# Altium PCB MB1137.PcbDoc (part 3 of 4)
Units mm, origin at the board's own origin, x right, y up, seen from the top; angles counter-clockwise.
Board outline 70.13 x 133.47 mm, 6 copper layers (Top Layer, GND, Signal, PWR, GND (Mid2), Bottom Layer), stack 1.893 mm thick; 293 components, 281 nets, 1134 pads, 921 vias.
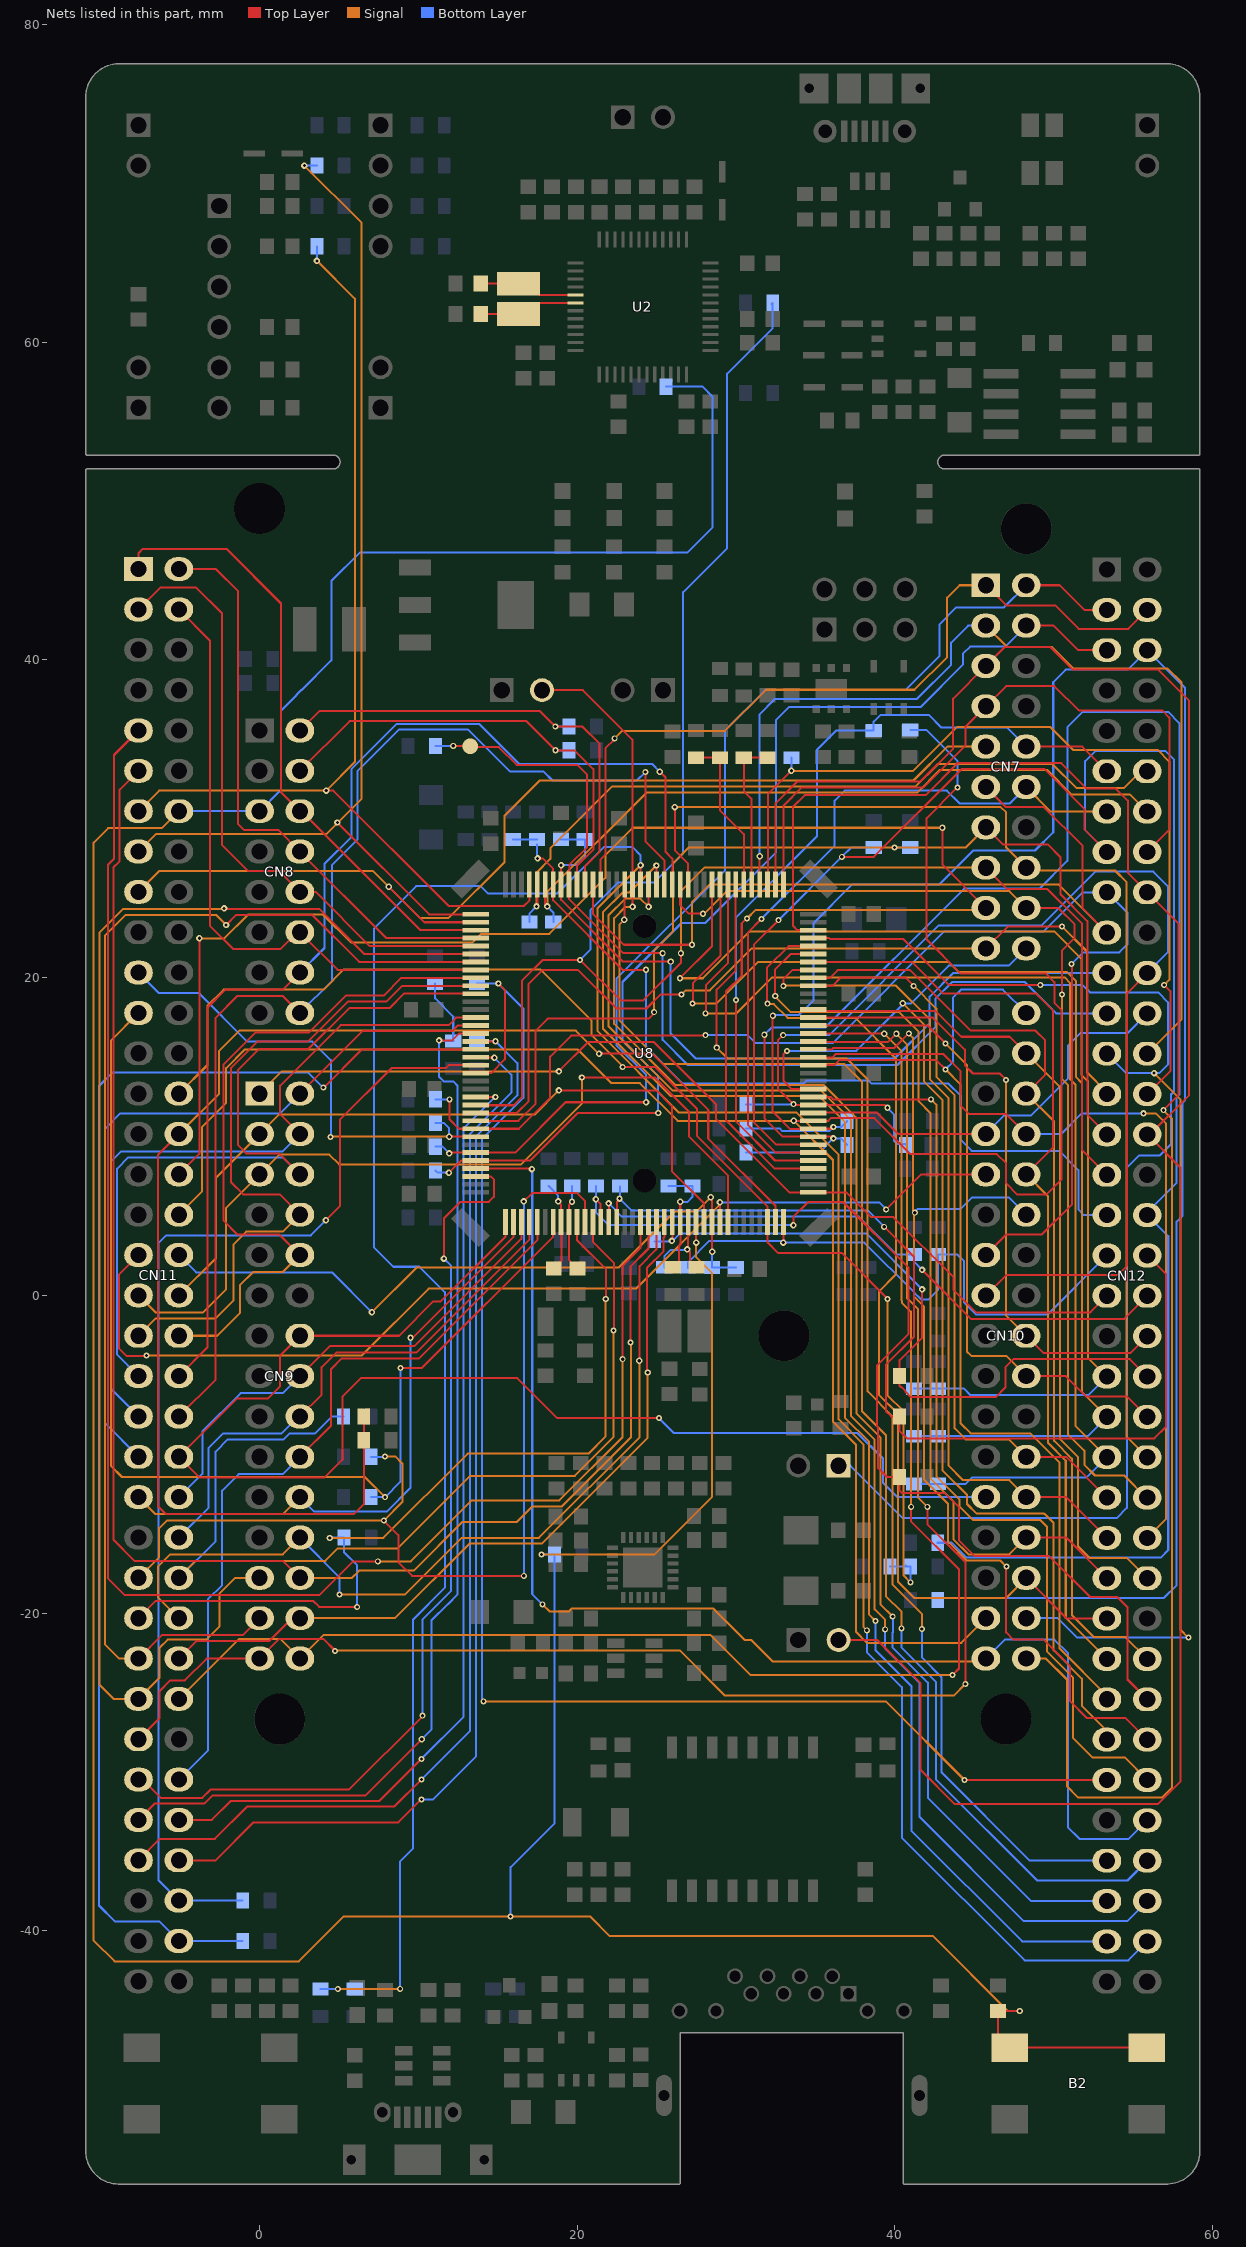
[diagram p7: the nets of this part, all layers, seen from the top]

## Via types
v1: diameter 0.406, hole 0.203, Top Layer to Bottom Layer, tented both sides, 464 vias
v2: diameter 0.381, hole 0.203, Top Layer to Bottom Layer, tented both sides, 415 vias
v3: diameter 0.508, hole 0.305, Top Layer to Bottom Layer, tented both sides, 39 vias
v4: diameter 0.66, hole 0.33, Top Layer to Bottom Layer, tented both sides, 2 vias
v5: diameter 0.381, hole 0.203, Top Layer to Bottom Layer, 1 vias

## Nets (pads, with @x,y where several pads share a name; then routed paths per layer and width w, separated by ;. In a path a pad name is that pad's centre, name@x,y a point inside that pad or via, vN(x,y) a via of type N, cw(c..) or ccw(c..) an arc to the next point about the centre after c; other vN are vias at no path point) (continued)
NRST: B2.2 B2.3 C53.2 CN8.5 CN11.14 SB111.2 SB177.1 U8.25 | length 263.3
  Top Layer w0.127: v1@27.482,3.404 U8.25@27.482,4.615 ; v1(47.854,-45.047) C53.2@46.482,-45.047 46.482,-46.627 B2.2@47.212,-47.356 B2.3@55.862,-47.356
  Signal w0.127: CN11.14@-5.08,30.48 -6.148,29.412 -9.526,29.412 -10.439,28.499 -10.439,-40.615 -9.129,-41.925 2.474,-41.925 5.309,-39.091 v2(15.799,-39.091) 20.799,-39.091 22.049,-40.341 42.398,-40.341 47.104,-45.047 v1(47.854,-45.047) ; v2(17.755,-16.307) 24.872,-16.307 28.473,-12.705 28.473,1.42 27.482,2.412 v1@27.482,3.404
  Bottom Layer w0.127: CN11.14@-5.08,30.48 CN8.5@0,30.48 1.35,31.83 1.35,36.809 2.327,37.785 2.327,37.822 2.615,38.11 2.652,38.11 4.521,39.98 4.521,44.971 6.312,46.761 26.924,46.761 28.499,48.336 28.499,56.587 27.885,57.201 SB111.2@25.597,57.201 ; v2(15.799,-39.091) 15.799,-35.992 18.574,-33.217 SB177.1@18.574,-16.307 v2(17.755,-16.307)
  other v1: 27.483,3.327
OSC_IN: C5.1 U2.5 X1.2 | length 6.2
  Top Layer w0.127: C5.1@13.932,63.703 X1.2@16.292,63.703 ; X1.2@16.307,63.688 16.906,63.688 17.614,62.98 U2.5@19.88,62.98
OSC_OUT: C6.1 U2.6 X1.1 | length 6.2
  Top Layer w0.127: C6.1@13.932,61.773 X1.1@16.292,61.773 ; X1.1@16.307,61.788 16.906,61.788 17.598,62.48 U2.6@19.88,62.48 U2.6@19.876,62.484
PA0: CN11.28 SB179.1 SB180.2 U8.34 | length 82.3
  Top Layer w0.127: v5(22.86,14.376) 24.901,14.376 27.541,11.736 27.541,10.029 31.982,5.589 U8.34@31.982,4.615 31.982,3.328 32.632,2.678 36.642,2.678 39.548,-0.229 v2(39.522,-0.229)
  Signal w0.127: CN11.28@-5.08,12.7 -3.277,14.503 -3.277,18.237 -2.261,19.252 4.038,19.252 5.311,20.526 17.676,20.526 20.904,17.298 20.904,16.377 22.86,14.421 v5(22.86,14.376) ; v2(39.522,-0.229) 39.522,-6.285 40.541,-7.303 40.541,-17.63 v2(40.97,-18.059)
  Bottom Layer w0.127: SB180.2@39.694,-17.069 SB179.1@40.977,-17.069 40.977,-18.053 v2(40.97,-18.059) ; SB179.1@40.665,-16.993 SB179.1@40.691,-17.018
PA1: CN11.30 SB11.2 SB13.2 U8.35 | length 91
  Top Layer w0.127: CN11.30@-5.08,10.16 -6.401,8.839 -6.401,-13.259 -5.892,-13.768 5.937,-13.768 6.56,-13.144 SB13.2@6.56,-9.5 ; SB13.2@6.56,-9.119 SB11.2@6.56,-7.619 ; v1@21.37,15.24 24.683,15.24 28.245,11.678 28.245,9.864 32.482,5.627 U8.35@32.482,4.615
  Signal w0.127: CN11.30@-5.08,10.16 -2.54,12.7 -2.54,15.392 -1.27,16.662 19.906,16.662 v1@21.354,15.215
  other v1: 21.37,15.215
PA2: CN12.35 SB159.1 SB160.2 U8.36 | length 37.4
  Top Layer w0.127: v1(32.969,3.327) 32.969,3.404 32.982,3.416 U8.36@32.982,4.615
  Bottom Layer w0.127: SB160.2@26.975,1.721 SB160.2@26.975,1.772 26.975,2.083 28.321,3.429 33.021,3.429 v1@33.123,3.327 ; v1(32.969,3.327) v1@33.123,3.327 ; CN12.35@53.34,2.515 49.632,-1.194 45.091,-1.194 44.348,-0.451 44.348,2.159 43.936,2.572 SB159.1@42.697,2.572 42.697,0.33 42.113,-0.254 41.637,-0.254 41.214,0.169 41.214,0.188 38.075,3.327 v1@33.123,3.327
PA3: CN9.1 CN12.37 U8.37 | length 63.2
  Top Layer w0.127: v1(18.847,14.097) 20.701,15.951 24.823,15.951 28.727,12.047 28.727,11.108 33.366,6.469 34.836,6.469 U8.37@34.857,6.49 36.944,6.49 38.504,4.93 39.901,4.93 43.688,1.143 43.688,0.334 45.089,-1.068 48.702,-1.068 ; 48.703,-1.067 52.299,-1.067 CN12.37@53.34,-0.025
  Signal w0.127: CN9.1@0,12.7 1.397,14.097 v1(18.847,14.097)
PA4: CN7.17 CN11.32 U8.40 | length 108.9
  Top Layer w0.127: CN11.32@-5.08,7.62 -3.785,8.915 v1(-3.785,22.479) ; v2(30.683,23.724) 30.658,23.724 30.353,23.419 30.353,20.126 29.362,19.136 29.362,11.037 32.406,7.993 34.853,7.993 U8.40@34.857,7.99 ; v2(42.977,29.439) 42.977,27.127 CN7.17@45.72,24.384
  Signal w0.127: v1(-3.785,22.479) -2.21,22.479 -0.711,23.978 3.988,23.978 5.766,22.2 13.386,22.2 13.945,22.758 18.237,22.758 21.768,26.289 21.768,27.719 23.488,29.439 v2(42.977,29.439) ; v2(30.683,23.724) 31.23,24.27 45.606,24.27 CN7.17@45.72,24.384
  Bottom Layer w0.127: v2@30.658,23.724 v2(30.683,23.724)
PA5: CN7.10 CN12.11 SB119.2 U8.41 | length 52.4
  Top Layer w0.127: v2(29.997,18.593) 29.997,10.941 32.448,8.49 U8.41@34.857,8.49 ; CN7.10@48.26,34.544 51.791,34.544 CN12.11@53.34,32.995
  Bottom Layer w0.127: v2(29.997,18.593) 30.061,18.593 29.997,18.656 29.997,23.812 35.103,28.917 35.103,34.366 36.297,35.56 SB119.2@38.659,35.56 38.659,36.119 39.091,36.551 42.113,36.551 42.926,35.738 47.066,35.738 CN7.10@48.26,34.544
PA6: CN7.12 CN12.13 U8.42 | length 46.3
  Top Layer w0.127: v2(31.598,23.698) 30.734,22.835 30.734,10.743 32.487,8.99 U8.42@34.857,8.99
  Signal w0.127: CN7.12@48.26,32.004 49.809,30.455 CN12.13@53.34,30.455
  Bottom Layer w0.127: v2(31.598,23.698) 36.195,28.296 36.195,31.14 36.83,31.775 43.258,31.775 44.07,30.963 47.219,30.963 CN7.12@48.26,32.004
PA7: CN12.15 JP6.1 SB121.2 U8.43 | length 129.4
  Top Layer w0.127: v2(32.665,23.622) 31.115,22.072 31.115,10.901 32.526,9.49 U8.43@34.857,9.49 ; v2(36.653,27.61) 38.675,27.61 44.217,33.151 49.399,33.151 51.918,30.632 51.918,29.337 CN12.15@53.34,27.915
  Bottom Layer w0.127: v2(32.665,23.622) v2(36.653,27.61) 37.237,28.194 SB121.2@38.659,28.194 ; JP6.1@35.814,-10.719 JP6.1@36.449,-10.719 37.186,-10.719 40.488,-14.021 53.95,-14.021 54.6,-13.371 54.6,8.042 55.372,8.814 56.681,8.814 57.376,9.509 57.376,12.646 57.554,12.824 57.554,33.747 57.036,34.265 52.603,34.265 51.968,33.63 51.968,29.286 CN12.15@53.34,27.915
PA8: CN12.23 SB115.2 TP1.1 U8.100 | length 64.2
  Top Layer w0.127: v2(12.192,34.595) 12.217,34.569 TP1.1@13.259,34.569 ; TP1.1@13.259,34.519 TP1.1@13.259,34.569 ; TP1.1@13.259,34.696 TP1.1@13.259,34.569 ; v2(25.375,21.539) 22.883,21.539 19.482,24.941 U8.100@19.482,25.865 19.502,25.886 19.502,27.097 20.625,28.219 20.625,32.766 19.99,33.401 16.18,33.401 15.062,34.519 13.31,34.519 TP1.1@13.259,34.569
  Bottom Layer w0.127: SB115.2@11.068,34.595 v2(12.192,34.595) ; v2(25.375,21.539) 25.375,16.085 26.956,14.503 40.157,14.503 42.545,16.891 42.545,18.676 43.599,19.73 48.173,19.73 50.148,17.755 CN12.23@53.34,17.755
PA9: CN12.21 SB127.2 SB128.2 U8.101 | length 50.9
  Top Layer w0.127: v1(18.982,27.084) U8.101@18.982,25.865 18.982,24.902 22.878,21.006 v2(25.883,21.006)
  Bottom Layer w0.127: v1(18.982,27.084) 19.979,27.084 20.472,27.578 SB127.2@20.472,28.708 SB128.2@18.974,28.708 SB128.2@18.982,28.701 ; v2(25.883,21.006) 25.883,16.485 27.455,14.912 39.97,14.912 42.177,17.12 42.177,18.808 43.664,20.295 CN12.21@53.34,20.295
PA10: CN12.33 SB125.2 SB126.2 U8.102 | length 54.8
  Top Layer w0.127: v1(17.501,27.508) 17.831,27.508 18.482,26.857 U8.102@18.482,25.865 18.482,24.863 22.847,20.498 v2(24.333,20.498)
  Bottom Layer w0.127: SB125.2@15.962,28.708 SB126.2@17.475,28.708 ; v1@17.475,27.526 SB126.2@17.475,28.384 ; v2(24.333,20.498) 24.333,15.638 26.637,13.335 34.252,13.335 34.455,13.538 38.329,13.538 38.532,13.335 43.368,13.335 44.133,12.571 44.133,9.785 44.825,9.093 50.33,9.093 51.537,7.886 51.537,5.41 51.892,5.055 CN12.33@53.34,5.055
PA11: CN12.14 SB133.2 U8.103 | length 45.5
  Top Layer w0.127: U8.103@17.982,25.865 17.982,24.614 v1(18.11,24.486)
  Signal w0.127: v1(18.11,24.486) 18.11,25.4 24.359,31.648 41.402,31.648 42.825,33.072 49.58,33.072 51.106,31.546 54.789,31.546 CN12.14@55.88,30.455
  Bottom Layer w0.127: v1(18.11,24.486) 18.491,24.105 SB133.2@18.491,23.508
PA12: CN12.12 SB132.2 U8.104 | length 47.4
  Top Layer w0.127: v1(17.432,24.486) 17.482,24.536 U8.104@17.482,25.865
  Signal w0.127: v1(17.432,24.486) 17.432,26.601 18.307,27.476 18.307,28.154 22.182,32.029 41.284,32.029 42.707,33.453 49.264,33.453 49.275,33.442 49.683,33.442 49.694,33.453 49.91,33.453 51.436,31.927 54.408,31.927 55.475,32.995 CN12.12@55.88,32.995
  Bottom Layer w0.127: SB132.2@16.982,23.508 16.982,24.036 v1(17.432,24.486)
PA13: CN11.13 SB108.1 U8.105 | length 65.3
  Top Layer w0.127: v1(4.191,31.775) 4.648,31.775 11.913,24.511 16.637,24.511 16.982,24.856 U8.105@16.982,25.865
  Signal w0.127: CN11.13@-7.62,30.48 -6.325,31.775 v1(4.191,31.775) 5.994,33.579 5.994,62.738 v1(3.613,65.119)
  Bottom Layer w0.127: SB108.1@3.613,66.04 v1(3.613,65.119) v1@3.632,65.1
PA14: CN11.15 SB103.1 U8.109 | length 68.7
  Top Layer w0.127: v1@4.902,29.82 v1(4.902,29.77) 10.682,23.99 U8.109@13.607,23.99
  Signal w0.127: CN11.15@-7.62,27.94 -6.529,29.031 4.19,29.031 6.426,31.267 6.426,67.515 v1(2.821,71.12)
  Bottom Layer w0.127: v1(2.821,71.12) SB103.1@3.613,71.12
PA15: CN7.9 CN11.17 U8.110 | length 67.7
  Top Layer w0.127: v1(8.128,25.73) 10.368,23.49 U8.110@13.607,23.49
  Signal w0.127: CN11.17@-7.62,25.4 -6.299,26.721 7.137,26.721 v1(8.128,25.73) 10.109,23.749 11.887,23.749 15.418,27.28 15.418,30.201 17.628,32.41 41.165,32.41 43.299,34.544 CN7.9@45.72,34.544
PB0: CN10.31 CN11.34 SB120.1 U8.46 | length 149.1
  Top Layer w0.127: v1(33.63,10.99) U8.46@34.857,10.99 35.798,10.99 35.966,11.158 38.707,11.158 40.976,8.888 46.414,8.888 46.99,8.312 46.99,7.061 47.703,6.348 49.528,6.348 50.495,7.315 50.495,17.949 50.026,18.418 50.026,19.722 49.479,20.269 44.12,20.269 41.986,22.403 41.986,30.045 43.92,31.979 v2(43.942,31.979)
  Signal w0.127: CN11.34@-5.08,5.08 -3.61,6.55 -3.61,10.614 -2.108,12.116 -2.108,14.3 -0.927,15.481 20.032,15.481 22.153,13.36 23.943,13.36 26.313,10.99 v1(33.63,10.99) 36.096,8.524 36.096,-7.953 37.544,-9.401 37.544,-21.185 38.229,-21.869 44.171,-21.869 CN10.31@45.72,-20.32
  Bottom Layer w0.127: SB120.1@40.964,35.604 41.954,35.604 43.942,33.617 v2(43.942,31.979)
PB1: CN10.7 CN12.24 U8.47 | length 26
  Top Layer w0.127: U8.47@34.857,11.49 34.878,11.511 38.853,11.511 40.204,10.16 CN10.7@45.72,10.16
  Bottom Layer w0.127: CN10.7@45.72,10.16 46.888,11.328 48.565,11.328 50.876,13.64 50.876,15.723 51.664,16.51 54.635,16.51 CN12.24@55.88,17.755
PB2: CN10.15 CN12.22 R73.1 SB137.2 U8.48 | length 81.5
  Top Layer w0.127: 32.982,12.663 33.655,11.99 U8.48@34.857,11.99 39.343,11.99 v2(39.522,11.811) v2@39.548,11.811 ; v2@32.982,16.365 v2(32.964,16.383) 32.629,16.048 32.629,13.015 v2(33.604,12.04) ; CN10.15@45.72,0 46.99,1.27 54,1.27 54.61,1.88 54.61,19.025 CN12.22@55.88,20.295
  Bottom Layer w0.127: SB137.2@30.626,12.014 33.631,12.014 33.63,12.015 33.63,12.04 v2(33.604,12.04) ; v2(32.964,16.383) 35.851,16.383 42.76,23.293 49.226,23.293 52.603,26.67 56.261,26.67 57.175,25.756 57.175,21.59 CN12.22@55.88,20.295 ; v2(39.522,11.811) 39.951,11.382 39.951,9.706 40.132,9.525 40.653,9.525 R73.1@40.704,9.474
PB3: CN7.15 CN12.31 SB110.2 U8.133 | length 119.1
  Top Layer w0.127: U8.133@13.627,11.969 16.008,11.969 16.51,12.471 16.51,19.806 17.812,21.107 v2(20.168,21.107) 20.2,21.107 22.74,18.567 24.163,18.567 26.519,20.924 v2(26.519,21.539) ; CN7.15@45.72,26.924 47.066,25.578 49.598,25.578 51.761,23.415 51.761,9.173 CN12.31@53.34,7.595
  Signal w0.127: v2(26.519,21.539) 26.519,25.444 27.999,26.924 CN7.15@45.72,26.924
  Bottom Layer w0.127: v2(20.168,21.107) 20.82,21.76 20.82,24.249 22.555,25.984 24.816,25.984 26.663,27.831 26.663,44.265 29.439,47.041 29.439,58.024 32.302,60.887 SB110.2@32.302,62.484 SB110.2@32.233,62.414
PB4: CN7.19 CN12.27 U8.134 | length 59.9
  Top Layer w0.127: U8.134@13.607,11.49 16.205,11.49 16.942,12.227 16.942,19.609 17.831,20.498 20.04,20.498 22.479,18.059 24.359,18.059 25.248,18.948 v2(26.568,18.948) ; CN7.19@45.72,21.844 47.092,23.216 v2(50.521,23.216)
  Signal w0.127: v2(26.568,18.948) 26.822,19.202 28.34,19.202 30.982,21.844 CN7.19@45.72,21.844 ; v2(50.521,23.216) 52.088,21.648 52.088,14.044 53.34,12.792 CN12.27@53.34,12.675
  Bottom Layer w0.127: CN12.27@53.34,12.675 CN12.27@53.34,12.725
PB5: CN7.13 CN12.29 SB122.2 U8.135 | length 72.4
  Top Layer w0.127: U8.135@13.607,10.99 16.289,10.99 17.374,12.074 17.374,16.662 18.136,17.424 24.511,17.424 24.841,17.755 v2(24.841,17.831) ; CN7.13@45.72,29.464 46.812,28.372 49.64,28.372 50.419,27.593 50.419,25.256 52.114,23.561 52.114,11.36 CN12.29@53.34,10.135
  Signal w0.127: v2(24.841,17.831) 24.841,21.724 26.035,22.918 26.035,27.203 27.026,28.194 v2(39.97,28.194) 44.45,28.194 CN7.13@45.72,29.464
  Bottom Layer w0.127: v2(39.97,28.194) SB122.2@40.964,28.194
PB6: CN10.13 CN12.17 SB136.2 U8.136 | length 81.7
  Top Layer w0.127: v2(11.963,12.343) 11.963,11.074 12.548,10.49 U8.136@13.607,10.49 16.328,10.49 18.288,12.45 18.288,15.036 19.609,16.358 28.042,16.358 v2(28.067,16.383) ; CN10.13@45.72,2.54 47.015,3.835 49.251,3.835 51.13,5.715 51.13,20.829 v2(51.106,20.853)
  Signal w0.127: CN12.17@53.263,25.452 CN12.17@53.34,25.375
  Bottom Layer w0.127: SB136.2@11.068,12.344 11.962,12.344 v2(11.963,12.343) ; v2(28.067,16.383) 30.734,16.383 31.214,15.903 36.103,15.903 43.111,22.912 49.353,22.912 51.816,25.375 CN12.17@53.34,25.375 54.635,24.079 54.635,22.098 54.128,21.59 51.842,21.59 v2(51.106,20.853)
PB7: CN11.21 SB139.1 U8.137 | length 29.7
  Top Layer w0.127: v1@12.116,9.99 U8.137@13.607,9.99
  Signal w0.127: v2(4.47,9.969) 4.496,9.995 v1@11.938,9.995
  Bottom Layer w0.127: CN11.21@-7.62,20.32 -6.337,19.037 -3.823,19.037 -0.762,15.977 2.438,15.977 3.319,15.977 4.493,14.803 4.493,9.992 v2(4.47,9.969) ; SB139.1@11.074,10.846 11.615,10.846 11.717,10.744 11.938,10.523 v1(11.938,9.982)
PB8: CN7.2 CN12.3 SB138.2 U8.139 | length 71.4
  Top Layer w0.127: v1(11.938,8.941) 11.987,8.99 U8.139@13.607,8.99 16.091,8.99 19.26,12.159 v1(24.333,12.159) ; CN7.2@48.26,44.704 50.368,44.704 51.918,43.155 CN12.3@53.34,43.155
  Bottom Layer w0.127: SB138.2@11.068,9.36 11.519,9.36 v1(11.938,8.941) ; v1(24.333,12.159) 24.333,13.888 22.466,15.755 22.466,19.926 29.312,26.772 29.312,35.583 31.823,38.094 40.634,38.094 42.786,40.246 42.786,42.23 43.864,43.307 46.863,43.307 CN7.2@48.26,44.704
PB9: CN7.4 CN12.5 SB143.2 U8.140 | length 70.5
  Top Layer w0.127: v1@11.921,7.728 12.683,8.49 U8.140@13.607,8.49 17.05,8.49 20.041,11.481 v1(25.095,11.481) ; CN7.4@48.26,42.164 49.987,42.164 51.537,40.615 CN12.5@53.34,40.615
  Bottom Layer w0.127: SB143.2@11.068,7.861 11.208,7.722 v1(11.921,7.722) ; v1(25.095,11.481) 25.095,13.799 22.847,16.047 22.847,19.73 26.561,23.444 28.065,23.444 32.512,27.891 32.512,36.224 33.322,37.033 41.605,37.033 44.296,39.724 44.296,40.41 44.729,40.843 46.939,40.843 CN7.4@48.26,42.164
PB10: CN10.32 CN12.25 U8.69 | length 79.6
  Top Layer w0.127: U8.69@34.857,22.49 35.854,22.49 35.903,22.441 40.502,22.441 43.41,19.533 v2(49.149,19.533)
  Signal w0.127: v1(56.312,13.995) 57.963,12.344 57.963,-21.031 v2(58.471,-21.539)
  Bottom Layer w0.127: CN10.32@48.26,-20.32 50.241,-20.32 51.46,-21.539 v2(58.471,-21.539) ; v2(49.149,19.533) 51.816,19.533 52.273,19.075 56.56,19.075 57.201,18.435 57.201,14.554 56.642,13.995 v1(56.312,13.995) 54.559,13.995 CN12.25@53.34,15.215
PB11: CN10.34 CN12.18 U8.70 | length 113.1
  Top Layer w0.127: U8.70@34.857,22.99 33.855,22.99 33.581,23.264 33.581,30.762 34.315,31.496 41.928,31.496 43.936,33.504 50.466,33.504 52.068,31.902 53.899,31.902 54.661,31.14 54.661,26.594 CN12.18@55.88,25.375 57.861,23.393 57.861,12.624 v2(56.896,11.658)
  Signal w0.127: CN10.34@48.26,-22.86 49.505,-22.86 50.825,-24.181 50.825,-30.912 51.51,-31.597 56.821,-31.597 57.429,-30.988 57.429,11.125 v2(56.896,11.658)
PB12: CN7.7 CN12.16 U8.73 | length 42.9
  Top Layer w0.127: U8.73@32.982,25.865 32.982,30.835 34.122,31.975 41.804,31.975 44.45,34.62 44.45,35.814 CN7.7@45.72,37.084 46.99,38.354 50.038,38.354 51.587,36.805 56.845,36.805 57.277,36.373 57.277,29.312 CN12.16@55.88,27.915
PB13: CN7.5 CN12.30 JP7.2 U8.74 | length 138.2
  Top Layer w0.127: U8.74@32.482,25.865 32.482,30.986 33.844,32.349 41.603,32.349 43.663,34.408 43.663,37.567 CN7.5@45.72,39.624 46.914,40.818 49.76,40.818 51.182,39.395 56.56,39.395 58.522,37.434 58.522,12.605 56.051,10.135 CN12.30@55.88,10.135 57.963,8.052 57.963,-30.607 56.564,-32.006 52.759,-32.006 52.743,-32.022 43.757,-32.022 41.609,-29.874 41.609,-24.418 38.882,-21.692 JP7.2@36.449,-21.692
PB14: CN12.28 SB118.1 U8.75 | length 56.2
  Top Layer w0.127: U8.75@32.002,25.886 32.002,31.545 v1(33.477,33.02) ; CN12.28@55.88,12.675 57.328,14.122 57.328,19.152 v2(56.948,19.533)
  Signal w0.127: v1(33.477,33.02) 41.148,33.02 43.917,35.789 49.759,35.789 51.206,34.341 56.54,34.341 57.277,33.604 57.277,19.862 v2(56.948,19.533)
  Bottom Layer w0.127: v1(33.477,33.02) SB118.1@33.477,33.845
PB15: CN7.3 CN12.26 U8.76 | length 66.1
  Top Layer w0.127: U8.76@31.482,25.865 v1(31.482,27.646)
  Signal w0.127: CN7.3@45.72,42.164 47.066,40.818 49.86,40.818 51.206,39.472 57.15,39.472 58.039,38.583 58.039,17.374 CN12.26@55.88,15.215
  Bottom Layer w0.127: v1(31.482,27.646) 31.482,36.579 32.444,37.541 41.377,37.541 43.536,39.7 43.536,41.097 44.602,42.164 CN7.3@45.72,42.164
PC0: CN9.3 CN11.38 U8.26 | length 47.9
  Top Layer w0.127: v1(18.847,12.903) 24.968,12.903 25.959,11.913 25.959,7.809 27.982,5.786 U8.26@27.982,4.615
  Signal w0.127: CN11.38@-5.08,0 -2.743,2.337 -2.743,7.417 CN9.3@0,10.16 1.219,11.379 17.323,11.379 v1(18.847,12.903)
PC1: CN11.36 SB164.2 SB165.2 U8.27 | length 44
  Top Layer w0.127: v1@28.4,6.273 v1(28.4,6.172) 28.482,6.09 U8.27@28.482,4.615 ; U8.27@28.461,4.636 U8.27@28.482,4.615 ; v1@28.482,2.76 U8.27@28.482,4.615
  Signal w0.127: v1(7.075,-1.068) 9.9,1.758 22.611,1.758 26.122,5.269 27.496,5.269 v1(28.4,6.172)
  Bottom Layer w0.127: CN11.36@-5.08,2.54 -3.989,1.449 4.559,1.449 v1(7.075,-1.068) ; v1@28.487,2.731 28.487,1.767 SB165.2@29.986,1.767
  other v1: 28.499,2.743
PC2: CN10.9 CN11.35 U8.28 | length 67.8
  Top Layer w0.127: CN11.35@-7.62,2.54 -8.84,1.32 -8.84,-3.352 -8.382,-3.81 -7.137,-3.81 v2(-7.112,-3.785) ; U8.28@28.982,4.615 v1(28.982,5.86) ; v2(39.446,5.41) 41.656,7.62 CN10.9@45.72,7.62
  Signal w0.127: v2(-7.112,-3.785) 6.426,-3.785 10.643,0.432 23.698,0.432 28.982,5.715 v1(28.982,5.86)
  Bottom Layer w0.127: v1(28.982,5.86) 38.997,5.86 v2(39.446,5.41) ; CN10.9@45.72,7.62 CN10.9@45.916,7.62
PC3: CN9.5 CN11.37 U8.29 | length 53.7
  Top Layer w0.127: v1(20.295,13.716) 24.884,13.716 27.026,11.575 27.026,10.008 29.502,7.531 29.502,5.486
  Signal w0.127: CN11.37@-7.62,0 -6.552,-1.068 -3.557,-1.068 -2.108,0.381 -2.108,5.512 CN9.5@0,7.62 1.245,8.865 4.394,8.865 5.016,8.242 16.472,8.242 20.295,12.065 v1(20.295,13.716)
PC4: CN12.34 SB150.2 SB151.1 SB178.2 U8.44 | length 125.3
  Top Layer w0.127: v2(31.775,16.408) 31.775,11.158 32.944,9.99 U8.44@34.857,9.99 36.014,9.99 v1(36.124,9.881)
  Bottom Layer w0.127: SB150.2@30.626,8.992 35.235,8.992 v1(36.124,9.881) 36.582,9.881 SB151.1@36.989,9.474 ; v2(31.775,16.408) 32.233,16.866 35.611,16.866 44.348,25.603 49.098,25.603 50.851,27.356 50.851,35.763 51.816,36.728 57.201,36.728 57.907,36.022 57.907,12.638 57.729,12.46 57.729,7.087 55.88,5.238 CN12.34@55.88,5.055 57.201,3.734 57.201,-16.027 56.718,-16.51 44.501,-16.51 43.561,-15.57 SB178.2@42.691,-15.57
PC5: CN12.6 SB140.2 SB141.1 SB181.2 U8.45 | length 133.9
  Top Layer w0.127: v2@32.276,17.595 32.276,11.607 33.414,10.469 34.836,10.469 U8.45@34.857,10.49 36.014,10.49 v1(36.124,10.599)
  Bottom Layer w0.127: SB140.2@30.626,10.516 32.734,10.516 32.912,10.338 35.845,10.338 36.106,10.599 v1(36.124,10.599) 36.615,10.599 SB141.1@36.989,10.973 ; v2@32.334,17.653 33.934,17.653 34.874,18.593 34.874,23.444 37.287,25.857 42.771,25.857 44.92,28.006 48.814,28.006 49.963,29.155 49.963,38.609 50.749,39.395 54.661,39.395 CN12.6@55.88,40.615 58.26,38.235 58.26,12.279 58.082,12.101 58.082,4.996 57.734,4.648 57.734,-18.237 56.921,-19.05 SB181.2@42.691,-19.05
  other v2: 32.309,17.602
PC6: CN7.1 CN12.4 U8.96 | length 50.9
  Top Layer w0.127: U8.96@21.476,25.871 21.476,27.454 21.768,27.746 21.768,34.43 22.352,35.014 v2(22.352,35.065) ; CN7.1@45.72,44.704 46.99,43.434 50.089,43.434 51.562,41.961 54.686,41.961 CN12.4@55.88,43.155
  Signal w0.127: v2(22.352,35.065) 22.821,35.535 29.296,35.535 31.886,38.125 41.224,38.125 43.282,40.183 43.282,43.917 44.069,44.704 CN7.1@45.72,44.704
PC7: CN7.11 CN12.19 U8.97 | length 53.1
  Top Layer w0.127: U8.97@20.982,25.865 20.982,24.022 22.931,22.073 v2(27.215,22.073) ; CN7.11@45.72,32.004 46.986,30.738 49.374,30.738 51.816,28.296 51.816,24.359 CN12.19@53.34,22.835
  Signal w0.127: v2(27.215,22.073) 27.215,24.752 28.32,25.856 50.318,25.856 CN12.19@53.34,22.835
PC8: CN8.2 SB116.1 U8.98 | length 30.3
  Top Layer w0.127: CN8.2@2.54,35.56 3.759,36.779 17.653,36.779 v2(18.618,35.814) 20.32,35.814 21.387,34.747 21.387,27.904 20.482,26.999 U8.98@20.482,25.865
  Bottom Layer w0.127: v2(18.618,35.814) SB116.1@19.494,35.814
PC9: CN8.4 SB117.1 U8.99 | length 29.6
  Top Layer w0.127: CN8.4@2.54,33.02 5.664,36.144 16.802,36.144 v2(18.631,34.315) 19.812,34.315 21.006,33.122 21.006,28.062 19.982,27.037 U8.99@19.982,25.865
  Bottom Layer w0.127: v2(18.631,34.315) SB117.1@19.494,34.315
PC10: CN8.6 CN11.1 U8.111 | length 39.2